# Altium PCB PCB.PcbDoc
Units mm, origin at the board's own origin, x right, y up, seen from the top; angles counter-clockwise.
Board outline 100 x 100 mm, 2 copper layers (Top Layer, Bottom Layer); 46 components, 28 nets, 194 pads, 48 vias.
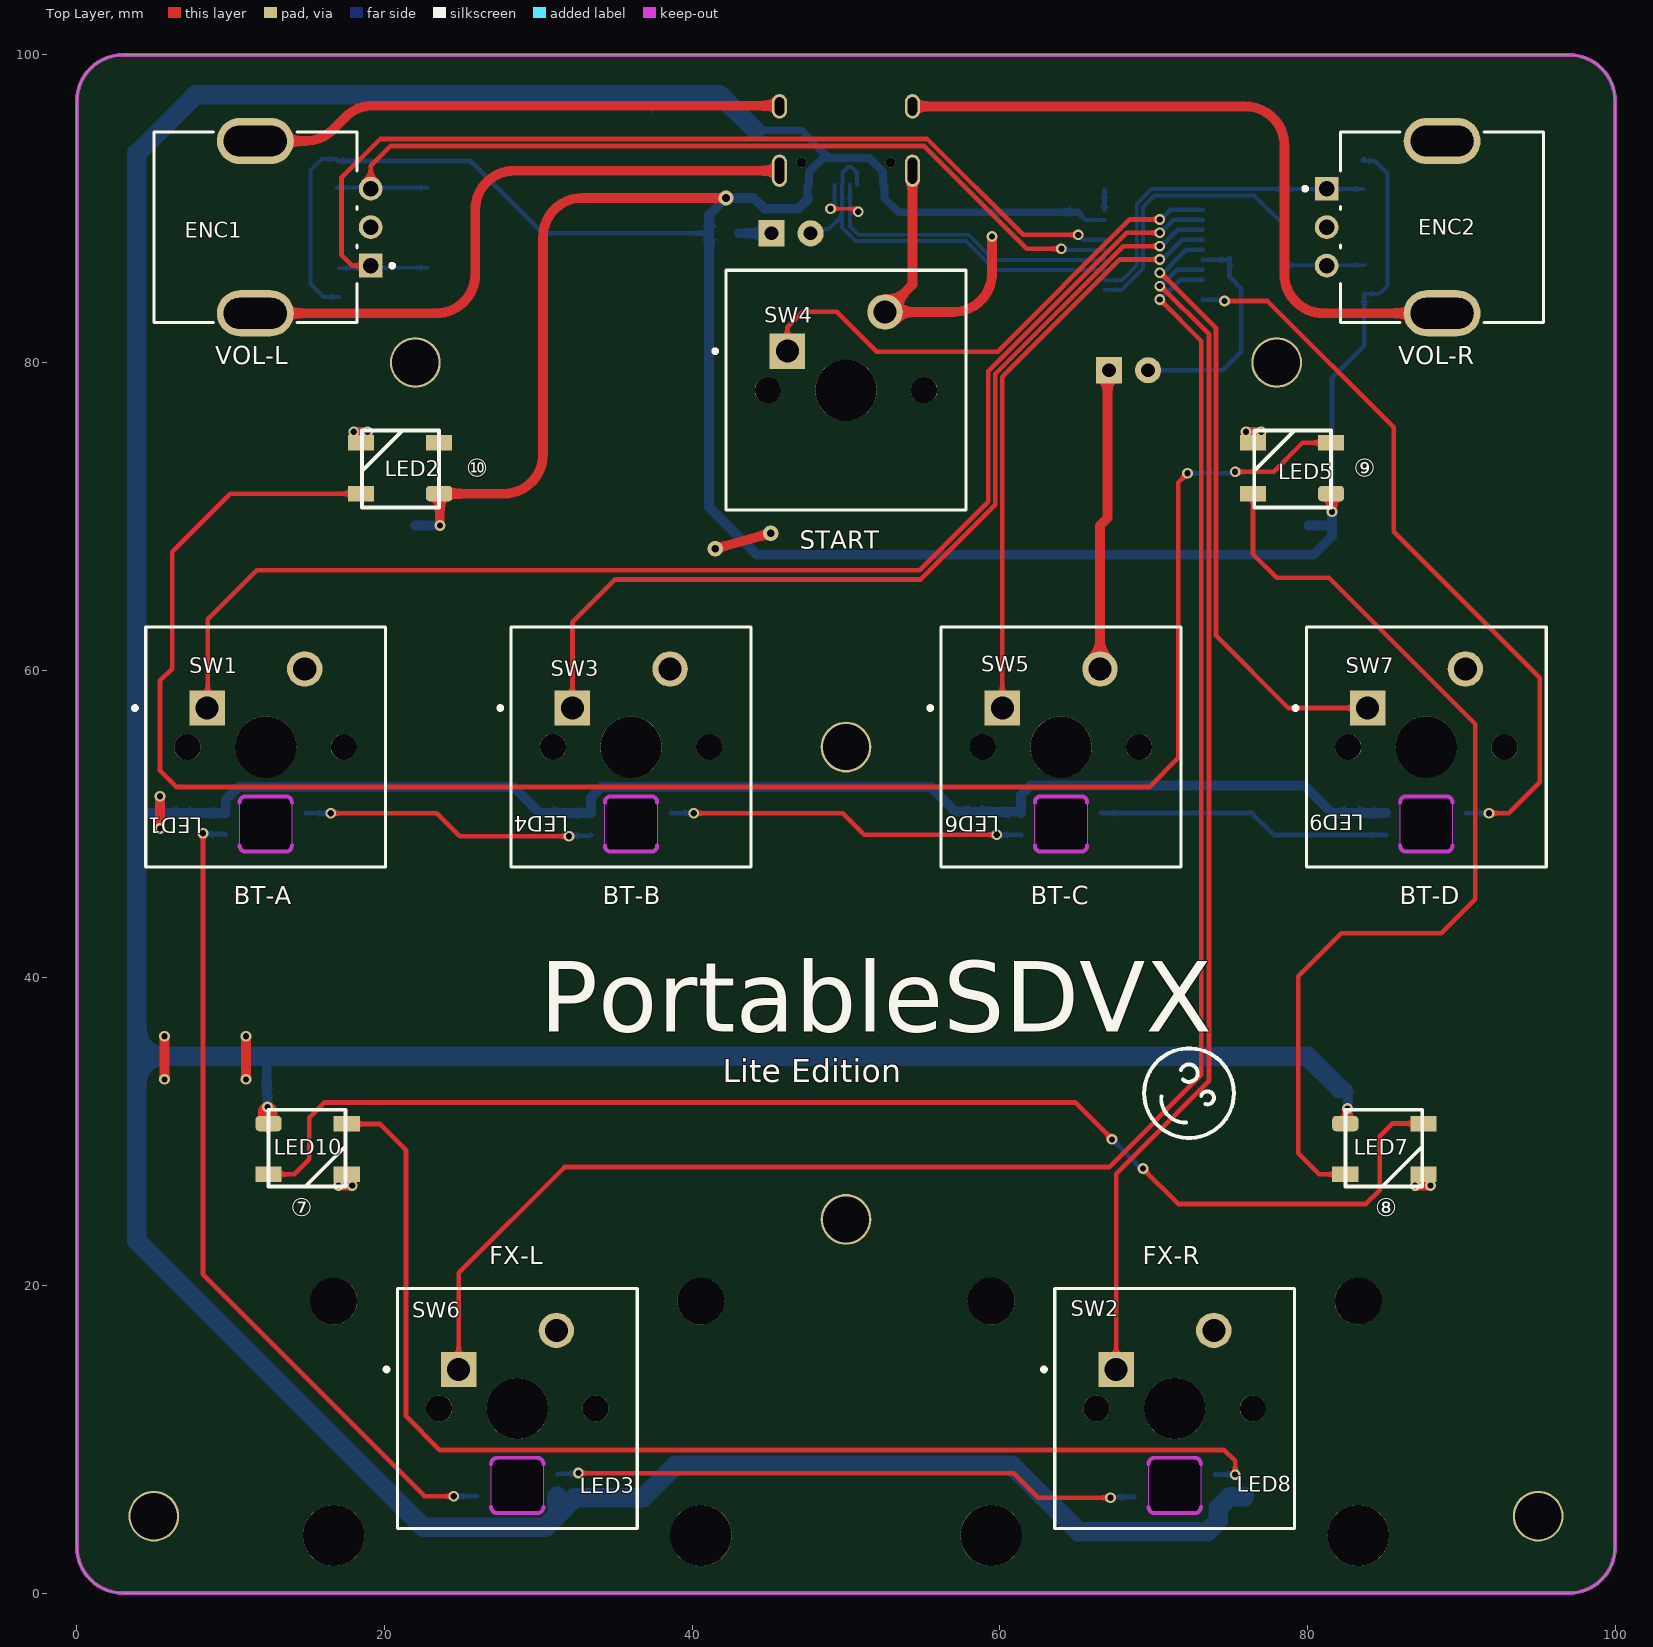
[diagram p0: Top Layer view]
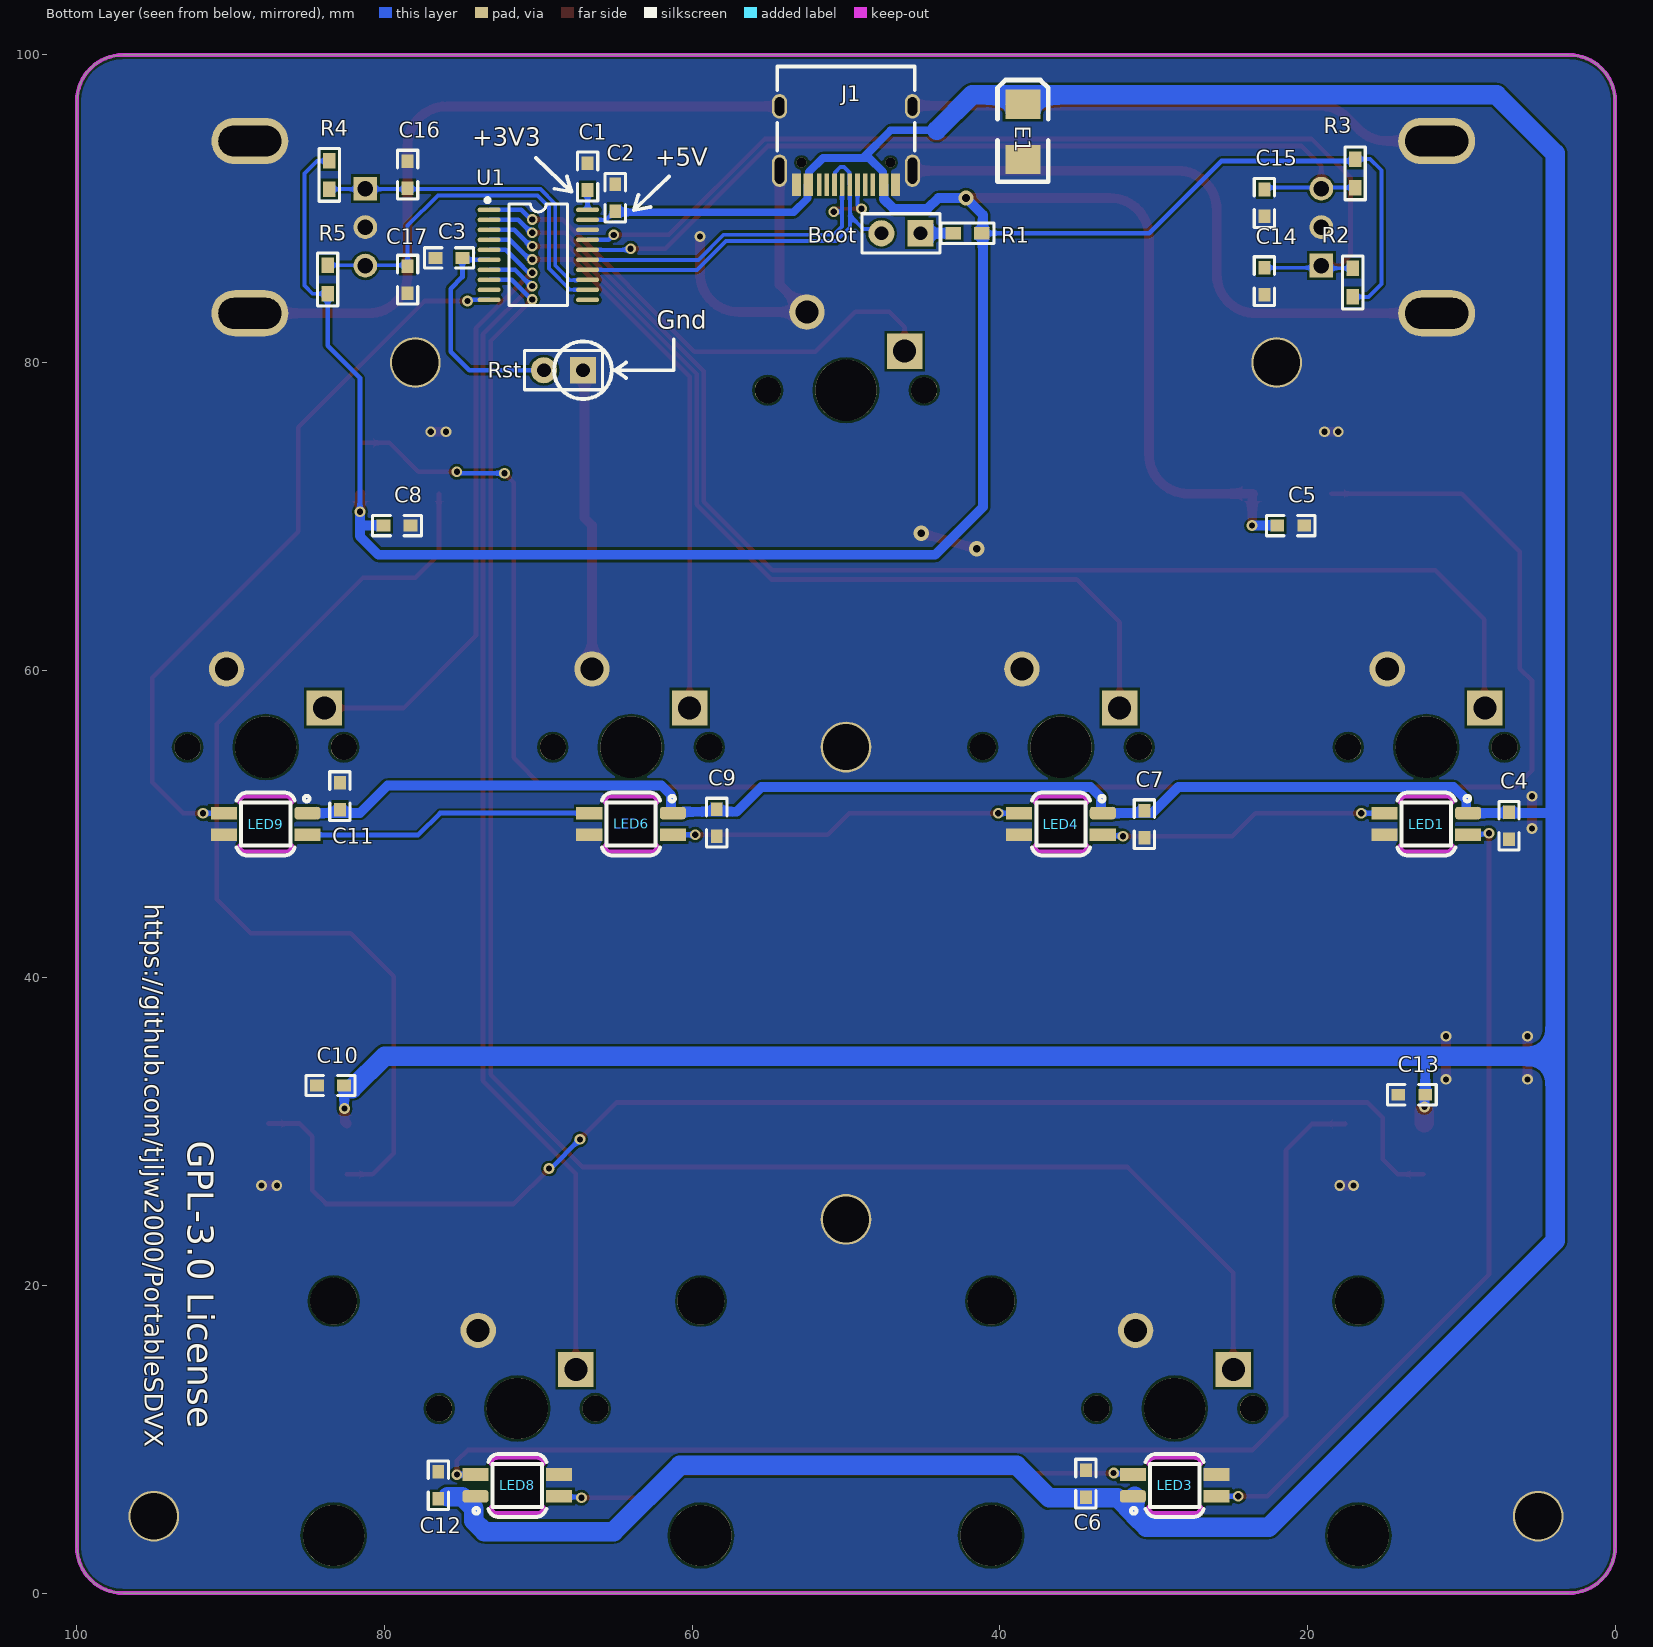
[diagram p1: Bottom Layer view, seen from below]

## Layer stack, top to bottom
Top Solder: solder mask 0.0102, Solder Resist, Dk 3.5
Top Layer: signal copper 0.0356
Dielectric 1: dielectric 0.32, FR-4, Dk 4.8
Bottom Layer: signal copper 0.0356
Bottom Solder: solder mask 0.0102, Solder Resist, Dk 3.5

## Board outline
0,3 0,97 cw(c3,97) 3,100 97,100 cw(c97,97) 100,97 100,3 cw(c97,3) 97,0 3,0 cw(c3,3)

## Design rules (kind name [scope] priority, off if disabled: settings)
Clearance [All] p1: gap=0.152 ignorepadtopadclearanceinfootprint=FALSE
PolygonConnect [All] p1: connectstyle=Direct reliefconductorwidth=0.254 reliefentries=4 polygonreliefangle="90 Angle" airgapwidth=0.254
RoomDefinition Sheet [InComponentClass('Sheet')] p1 off: confinementstyle=ConfineIn formatcopy=TRUE lockcomponents=FALSE outline 149.168,-9.459 171.803,-9.459 171.803,21.529 149.168,21.529
RoutingVias [All] p1: holewidth=0.711 width=1.27 viastyle="Through Hole" minholewidth=0.711 minwidth=1.27 maxholewidth=0.711 maxwidth=1.27
SolderMaskExpansion [All] p1: expansion=0.102
Width [All] p1: maxlimit=1.27 minlimit=0.254 preferedwidth=0.254
30 further rules are at their usual default settings.

## Components (designator, comment, footprint, x,y, rotation, side; value= is the part's Value field where it differs from the comment)
Boot "HDR-1X2" HDR-1X2 45.16,88.4 r0 bottom
C1 "104" "C 0603" 66.8,92.1 r90 bottom
C2 "104" "C 0603" 65,90.7 r270 bottom
C3 "104" "C 0603" 75.8,86.8 r180 bottom
C4 "104" "C 0603" 6.9,49.9 r90 bottom
C5 "104" "C 0603" 21.1,69.4 r0 bottom
C6 "104" "C 0603" 34.4,7.1 r270 bottom
C7 "104" "C 0603" 30.6,50 r90 bottom
C8 "104" "C 0603" 79.2,69.4 r0 bottom
C9 "104" "C 0603" 58.4,50.1 r90 bottom
C10 "104" "C 0603" 83.5,33 r180 bottom
C11 "104" "C 0603" 82.9,51.8 r270 bottom
C12 "104" "C 0603" 76.5,7 r270 bottom
C13 "104" "C 0603" 13.2,32.4 r180 bottom
C14 "104" "C 0603" 22.8,85.3 r90 bottom
C15 "104" "C 0603" 22.8,90.389 r90 bottom
C16 "104" "C 0603" 78.5,92.2 r270 bottom
C17 "104" "C 0603" 78.5,85.4 r90 bottom
E1 "10uF/10V" "CD B(3528)" 38.5,95 r270 bottom
ENC1 "EC12E24204A9" ALPS_EC12E24204A9_MFG 11.6,88.8 r90 top
ENC2 "EC12E24204A9" ALPS_EC12E24204A9_MFG 88.75,88.8 r270 top
J1 "Typec16" "TYPEC 16P" 50,99.25 r0 bottom
LED1 "WS2812B" WS2812_SINK 12.275,50 r0 top
LED2 "WS2812B" WS2812B 21,73 r180 top
LED3 "WS2812B" WS2812_SINK 28.63,7 r180 top
LED4 "WS2812B" WS2812_SINK 36.025,50 r0 top
LED5 "WS2812B" WS2812B 79,73 r180 top
LED6 "WS2812B" WS2812_SINK 63.975,50 r0 top
LED7 "WS2812B" WS2812B 85,29 r0 top
LED8 "WS2812B" WS2812_SINK 71.37,7 r180 top
LED9 "WS2812B" WS2812_SINK 87.725,50 r0 top
LED10 "WS2812B" WS2812B 15,29 r0 top
R1 "10K" RES-SMD-0603 42.1,88.4 r180 bottom
R2 "10K" RES-SMD-0603 17.05,85.2 r270 bottom
R3 "10K" RES-SMD-0603 16.9,92.3 r90 bottom
R4 "10K" RES-SMD-0603 83.6,92.2 r90 bottom
R5 "10K" RES-SMD-0603 83.7,85.4 r270 bottom
Rst "HDR-1X2" HDR-1X2 67.1,79.5 r0 bottom
SW1 "SWITCH" CHERRY_MX1A 12.275,55 r0 top locked
SW2 "SWITCH" CHERRY_MX1A_X2 71.37,12 r0 top locked
SW3 "SWITCH" CHERRY_MX1A 36.025,55 r0 top locked
SW4 "SWITCH" CHERRY_MX1A 50,78.2 r0 top
SW5 "SWITCH" CHERRY_MX1A 63.975,55 r0 top locked
SW6 "SWITCH" CHERRY_MX1A_X2 28.63,12 r0 top locked
SW7 "SWITCH" CHERRY_MX1A 87.725,55 r0 top locked
U1 "CH552T" TSSOP20_N 70,87 r180 bottom

## Footprints (in the part's own frame and the unit in brackets; to place one, negate y for a bottom-side part, rotate by r counter-clockwise, add the part's x,y. Pads: shape width x height; smd on the part's side, far side on the other; paste and mask are expansions set on the pad)
ALPS_EC12E24204A9_MFG [mm]
  rect 1.55x1.55 hole 1 paste-1000 mask+0: 1(-2.5,-7.5)
  round 1.55 hole 1 paste-1000 mask+0: 2(0,-7.5) 3(2.5,-7.5)
  rrect100% 3x5 hole 4.1 slot 2 at 0 deg paste-1000 mask+0: 4(-5.6,0) 5(5.6,0)
  silkscreen extent -6.2,-9.03 6.2,6.6, body extent -7,-8.37 7,6.7, height 0.25
"C 0603" [mil] "无极性贴片电容"
  rect 35x30 smd: 1(-35,0) 2(34,0)
  silkscreen extent -63,-26 62,26, body extent -31,-16 31,16, height 32
"CD B(3528)" [mil] "长3.5mm，宽2.8mm，厚1.9mm"
  rect 75x90 smd: A(-70.87,-0.01) K(70.86,-0.01)
  silkscreen extent -133,-65 127,65, body extent -69,-55 69,55, height 75
CHERRY_MX1A [mil]
  rect 90.55x90.55 hole 59.06 paste-39370.1 mask+0: 1(-150,100)
  round 90.55 hole 59.06 paste-39370.1 mask+0: 2(100,200)
  round 67 hole 67 unplated paste-39370.1 mask+0: ""(-200,0) ""(200,0)
  round 3.15 hole 1.69 paste-39370.1 mask+0: ""(0,0)
  round 157 hole 157 unplated paste-39370.1 mask+0: ""(0,0)
  silkscreen extent -340,-307 307,307, body extent -309,-305 305,309, height 611
CHERRY_MX1A_X2 [mil]
  rect 90.55x90.55 hole 59.06 paste-39370.1 mask+0: 1(-150,100)
  round 90.55 hole 59.06 paste-39370.1 mask+0: 2(100,200)
  round 157 hole 157 unplated paste-39370.1 mask+0: ""(-470,-325) ""(0,0) ""(470,-325)
  round 120 hole 120 unplated paste-39370.1 mask+0: ""(-470,275) ""(470,275)
  round 67 hole 67 unplated paste-39370.1 mask+0: ""(-200,0) ""(200,0)
  round 3.15 hole 1.69 paste-39370.1 mask+0: ""(0,0)
  silkscreen extent -340,-307 307,307, body extent -606,-433 602,323, height 611
HDR-1X2 [mm] "排针，2脚"
  rect 1.7x1.7 hole 0.9: 1(0,0)
  round 1.7 hole 0.9: 2(2.54,0)
  silkscreen extent -1.27,-1.27 3.81,1.27, body extent -1.27,-1.27 3.81,1.27, height 8.5
RES-SMD-0603 [mil] "1/10W贴片电阻"
  rect 40x31.5 smd: 1(-36.5,0) 2(36.5,0)
  silkscreen extent -68,-26 68,26, body extent -31,-16 31,16, height 16
TSSOP20_N [mm] "6.5*6.4*1（长宽高）"
  oval 1.5x0.3 smd: 1(-3.2,2.925) 2(-3.2,2.275) 3(-3.2,1.625) 4(-3.2,0.975) 5(-3.2,0.325) 6(-3.2,-0.325) 7(-3.2,-0.975) 8(-3.2,-1.625) 9(-3.2,-2.275) 10(-3.2,-2.925) 11(3.2,-2.925) 12(3.2,-2.275) 13(3.2,-1.625) 14(3.2,-0.975) 15(3.2,-0.325) 16(3.2,0.325) 17(3.2,0.975) 18(3.2,1.625) 19(3.2,2.275) 20(3.2,2.925)
  silkscreen extent -3.43,-3.3 1.91,3.69, body extent -3.2,-3.25 3.2,3.25, height 1.03
"TYPEC 16P" [mm]
  rect 0.6x1.45 smd: 1(-3.225,7.695) 2(-2.45,7.695) 7(2.45,7.695) 8(3.225,7.695)
  rect 0.3x1.45 smd: 3(-1.25,7.695) 4(-0.25,7.695) 5(0.25,7.695) 6(1.25,7.695) 11(-1.75,7.695) 12(-0.75,7.695) 13(0.75,7.695) 14(1.75,7.695)
  oval 1x1.6 hole 0.6 slot 1.2 at 90 deg: ""(-4.32,2.6) ""(4.32,2.6)
  oval 1x2.1 hole 0.6 slot 1.7 at 90 deg: ""(-4.32,6.78) ""(4.32,6.78)
  round 0.65 hole 0.65 unplated: ""(-2.89,6.25) ""(2.89,6.25)
  silkscreen extent -4.47,0 4.47,5.46
WS2812_SINK [mm]
  rrect50% 1.7x0.82 smd far side: 1(-2.72,0.71)
  rect 1.7x0.82 smd far side: 2(-2.72,-0.71) 3(2.72,-0.71) 4(2.72,0.71)
  Keep-Out Layer board cut-out: -1.7,-1.3 -1.7,1.3 -1.662,1.491 -1.554,1.654 -1.391,1.762 -1.2,1.8 -1.2,1.8 1.2,1.8 1.391,1.762 1.554,1.654 1.662,1.491 1.7,1.3 1.7,1.3 1.7,-1.3 1.662,-1.491 1.554,-1.654 1.391,-1.762 1.2,-1.8 1.2,-1.8 -1.2,-1.8 -1.391,-1.762 -1.554,-1.654 -1.662,-1.491 -1.7,-1.3
WS2812B [mm]
  rrect50% 1.7x1 smd: 1(-2.54,1.524)
  rect 1.7x1 smd: 2(-2.54,-1.778) 3(2.54,-1.778) 4(2.54,1.524)
  silkscreen extent -2.54,-2.58 2.46,2.42, body extent -2.7,-2.65 2.7,2.35, height 1.54

## Part data
Boot Rst: library part "Header 2", "2P接插件"
  Boot: 学习资源=ww
  Rst: BOM名称=2, 学习资源=www.o
C1 C2 C4 C5 C6 C7 C8 C9 C10 C11 C12 C13 C14 C15 C16 C17: library part Cap-CER-SMD, "瓷片电容-贴片"
C3: library part C, "无极性贴片电容", 学习资源=www.o
E1: library part Cap-TAN-SMD, "钽电解电容-贴片"
LED1 LED2 LED3 LED4 LED5 LED6 LED7 LED8 LED9 LED10: "Raspberry Pi HAT _40 pin_ Wheeled Robotics Kit", Package=None, Availability=Unavailable, MF="SparkFun Electronics", MP=WS2812B, Price=None, SnapEDA_Link=https://www.snapeda.com/parts/WS2812B/Worldsemi/view-part/1038297/?ref=snap
R1 R2 R3 R4 R5: library part Res-Fixed-SMD, "固定电阻器-贴片"
SW1 SW2 SW3 SW4 SW5 SW6 SW7: "SWITCH Pushbutton Switch SPST-NO Keyswitch Through Hole", contact_current_rating="10 mA", Digikey Part Number=CH160-ND, Manufacturer=Cherry, Mouser Part Number=540-MX1A-11NW, Octopart Part Number=MX1A-11NW, Package=SW_15MM6_15_6, Temperature="-10 to +70", Temperature Range High=+70, Temperature Range Low=-10, Category 2Bfae6F01857F03D=Pushbutton, Category 6A0Ba70159B8B1Cc=Keylock, Category 6E88A3825D3Cb54F=Uncategorized, Category 8Ce341E9Bf4C5724=Switches, Category A9A064Aa9A0A7267="Tactile / Jog", Category Db391633E8F300Fe="Industrial Control", ComponentLink1Description=Upverter, ComponentLink1URL=https://upverter.com/upn/revision/2ca27a2fbe391082/, ComponentLink2Description=Datasheet, ComponentLink2URL=https://upverter.com/datasheet/a174b925b05052267a652262a41f429ea7a87855.pdf, contact_plating=Gold, contacts_type=SPST, Digikey Description="SWITCH Pushbutton Switch SPST-NO Keyswitch Through Hole", helpURL=https://upverter.com/upn/revision/2ca27a2fbe391082/, Lead Free=yes, Mounting Type=lug, Num Pins=2, orientation=Vertical, Price=0.648391469733, RoHS=TRUE, size_length="15.6 mm", size_width="15.6 mm", Supplier 1=Digi-Key, Supplier 2=Mouser, Supplier Part Number 1=CH160-ND, Supplier Part Number 2=540-MX1A-11NW

## Free pads (board coordinates)
  round 3.3 hole 3 unplated: ""(5,5) ""(22,80) ""(50,24.3) ""(50,55) ""(78,80) ""(95,5)

## Via types
v1: diameter 0.7, hole 0.4, Top Layer to Bottom Layer, 45 vias
v2: diameter 1, hole 0.5, Top Layer to Bottom Layer, 3 vias

## Nets (pads, with @x,y where several pads share a name; then routed paths per layer and width w, separated by ;. In a path a pad name is that pad's centre, name@x,y a point inside that pad or via, vN(x,y) a via of type N, cw(c..) or ccw(c..) an arc to the next point about the centre after c; other vN are vias at no path point)
+5: C2.2 C4.2 C5.2 C6.2 C7.2 C8.2 C9.2 C10.2 C11.2 C12.2 C13.2 E1.A J1.2 J1.7 LED1.1 LED2.1 LED3.1 LED4.1 LED5.1 LED6.1 LED7.1 LED8.1 LED9.1 LED10.1 R1.2 R2.2 R3.2 R4.2 R5.2 U1.19 | length 578.4
  Top Layer w0.635: v1(23.6,69.4) 23.588,69.412 23.588,71.428 LED2.1 27.76,71.476 ccw(c27.76,74.016) 30.3,74.016 30.3,88.16 cw(c32.84,88.16) 32.84,90.7 v2(42.2,90.7) ; LED5.1 81.588,71.428 81.588,70.312 v1(81.6,70.3) ; LED7.1 82.588,30.652 82.588,31.488 v1(82.6,31.5)
  Top Layer w1.27: LED10.1@12.4,30.584 v1@12.4,31.3
  Bottom Layer w0.254: R3.2 15.927,93.227 15.2,92.5 15.2,85.1 16.027,84.273 R2.2 ; C2.2@65.068,89.768 65.082,89.782 65.589,89.275 U1.19 ; R4.2 83.627,93.1 84.4,93.1 85.2,92.3 85.2,85 84.673,84.473 R5.2
  Bottom Layer w0.305: R3.2 17.027,93.1 25.6,93.1 30.3,88.4 41.1,88.4 R1.2 ; v1(81.6,70.3) 81.6,79 83.7,81.1 R5.2 ; R4.2 R4.2@83.7,93.227
  Bottom Layer w0.508: 44.1,95.1 47.1,95.1 48.9,93.3 ; 47.504,90.684 47.504,91.509 J1.2 47.596,91.601 47.596,92.396 48.5,93.3 48.9,93.3 ; C2.2@65.068,89.768 53.412,89.768 52.496,90.684 52.496,91.509 J1.7 52.404,91.601 52.404,92.396 51.5,93.3 48.9,93.3
  Bottom Layer w0.635: 3.9,51 4.19,50.71 9.675,50.71 9.675,51.575 10.5,52.4 28.4,52.4 30.09,50.71 33.425,50.71 33.425,51.725 34.1,52.4 55.5,52.4 57.1,50.8 61.285,50.8 61.375,50.71 61.375,51.875 62,52.5 79.8,52.5 81.59,50.71 LED9.1@85.125,50.71 ; 12.1,34.9 12.336,34.664 C13.2 12.388,32.349 12.388,31.612 v1(12.4,31.6) ; C5.2 v1(23.6,69.4) ; 47.545,90.684 47.545,90.635 46.91,90 44.7,90 44,90.7 43.809,90.7 v2(42.2,90.7) 41.1,89.6 41.1,88.4 41.1,70.6 44.2,67.5 80.4,67.5 81.6,68.7 81.6,69.5 ; C8.2 81.5,69.4 81.6,69.5 ; v1(81.6,70.3) 81.6,69.5 ; v1(82.6,31.5) 82.612,31.512 C10.2@82.612,32.8
  Bottom Layer w1.27: 31.2,5.044 31.244,5.088 ; LED3.1@31.23,6.29 31.2,6.26 31.2,5.948 31.244,5.904 31.244,5.088 ; 44.1,95.1 41.8,97.4 7.7,97.4 3.9,93.6 3.9,51 3.9,34.9 ; 75.9,6.264 74.964,6.264 74.2,5.5 74.2,4.7 73.5,4 65.1,4 60.8,8.3 38.9,8.3 36.8,6.2 32.356,6.2 31.244,5.088 ; 82.1,32.8 80,34.9 12.1,34.9 3.9,34.9 ; 3.9,34.9 3.9,22.9 22.514,4.286 30.474,4.286 31.244,5.055 31.244,5.088
BTNL1: SW7.1 U1.5 | length 40.3
  Top Layer w0.305: v1(70.4,85.833) 70.459,85.833 74.057,82.235 74.057,62.243 78.76,57.54 SW7.1
  Bottom Layer w0.305: v1@70.5,85.7 70.77,85.97 71.155,86.354 ; 71.155,86.355 72.123,87.323 73.198,87.323 U1.5
BTNL2: SW5.1 U1.4 | length 38.2
  Top Layer w0.305: SW5.1 60.165,79.065 67.8,86.7 v1(70.4,86.7)
  Bottom Layer w0.305: v1@70.501,86.625 71.851,87.975 U1.4
BTNLH: SW6.1 U1.8 | length 114.7
  Top Layer w0.305: SW6.1 24.82,20.82 31.7,27.7 67.1,27.7 73.1,33.7 73.1,81.4 v1(70.4,84.1)
  Bottom Layer w0.305: v1(70.4,84.1) 70.459,84.1 71.734,85.375 U1.8
BTNR1: SW3.1 U1.3 | length 62.1
  Top Layer w0.305: SW3.1 32.215,63.115 35,65.9 54.847,65.9 59.708,70.761 59.708,79.254 68.02,87.567 v1(70.4,87.567)
  Bottom Layer w0.305: v1@70.5,87.55 v1@70.571,87.621 ; v1@70.501,87.55 71.574,88.623 73.198,88.623 U1.3
BTNR2: SW1.1 U1.2 | length 86.1
  Top Layer w0.305: SW1.1 8.5,57.575 8.5,63.3 11.7,66.5 54.8,66.5 59.251,70.951 59.251,79.444 68.24,88.433 v1(70.4,88.433)
  Bottom Layer w0.305: v1@70.501,88.475 71.301,89.275 U1.2
BTNRH: SW2.1 U1.7 | length 77.5
  Top Layer w0.305: SW2.1 67.56,27.26 73.6,33.3 73.6,81.826 70.459,84.967 v1(70.4,84.967)
  Bottom Layer w0.305: v1(70.4,84.967) 70.459,84.967 71.518,86.025 U1.7
D+: Boot.2 J1.4 J1.13 U1.14 | length 26.3
  Bottom Layer w0.254: Boot.2 47.977,88.677 48.877,88.677 49.75,89.55 ; J1.13 50.727,91.578 50.727,92.348 50.375,92.7 50.125,92.7 49.773,92.348 49.773,91.578 J1.4 49.75,89.55 ; U1.14 59.675,86.025 57.8,87.9 50.632,87.9 49.75,88.782 49.75,89.55
D-: J1.5 J1.12 U1.15 | length 26
  Top Layer w0.254: v1(49,90) 50.6,90 v1(50.8,89.8)
  Bottom Layer w0.254: v1(49,90) 49.25,90.25 J1.12 ; v1(50.8,89.8) 50.273,89.8 50.273,91.532 J1.5 50.25,88.856 50.8,88.306 57.968,88.306 59.6,86.675 U1.15
DLED: LED9.4 U1.10 | length 48.5
  Top Layer w0.305: v1(74.6,84) 77.4,84 85.6,75.8 85.6,69 95.1,59.5 95.1,52.7 93.1,50.7 v1(91.8,50.7)
  Bottom Layer w0.305: U1.10 74.525,84.075 v1(74.6,84) ; LED9.4@90.325,50.71 90.335,50.7 v1(91.8,50.7)
ENCLA: C14.2 ENC1.1 R2.1 U1.17 | length 66.4
  Top Layer w0.305: ENC1.1 17.9,86.3 17.2,87 17.2,92 19.732,94.532 55.279,94.532 61.511,88.3 v1(65.1,88.3)
  Bottom Layer w0.254: R2.1 18.927,86.127 ENC1.1 19.236,86.164 C14.2
  Bottom Layer w0.305: v1(65.1,88.3) 65.425,87.975 U1.17
ENCLB: C15.2 ENC1.3 R3.1 U1.16 | length 58.4
  Top Layer w0.305: ENC1.3 19.1,92.8 20.375,94.075 55.089,94.075 61.764,87.4 v1(64,87.4)
  Bottom Layer w0.254: R3.1 19.1,91.373 22.5,91.373 22.764,91.373 C15.2@22.8,91.336 ; v1(64,87.4) 64.075,87.325 U1.16
ENCRA: C16.2 ENC2.1 R4.1 U1.13 | length 21.7
  Bottom Layer w0.254: U1.13 66.868,85.375 66.891,85.352 67.952,85.352 68.9,86.3 68.9,90.3 69.873,91.273 78.5,91.273 C16.2 78.563,91.273 R4.1
ENCRB: C17.2 ENC2.3 R5.1 U1.12 | length 25.3
  Bottom Layer w0.254: U1.12 66.8,84.732 67.932,84.732 69.306,86.106 69.306,90.106 70.066,90.866 76.533,90.866 78.5,88.9 C17.2 78.563,86.327 R5.1
GND: C1.2 C2.1 C3.1 C4.1 C5.1 C6.1 C7.1 C8.1 C9.1 C10.1 C11.1 C12.1 C13.1 C14.1 C15.1 C16.1 C17.1 E1.K ENC1.2 ENC1.4 ENC1.5 ENC2.2 ENC2.4 ENC2.5 J1.1 J1.8 J1.@45.68,92.47 J1.@45.68,96.65 J1.@54.32,92.47 J1.@54.32,96.65 LED1.3 LED2.3 LED3.3 LED4.3 LED5.3 LED6.3 LED7.3 LED8.3 LED9.3 LED10.3 pad. Rst.1 SW1.2 SW2.2 SW3.2 SW4.2 SW5.2 SW6.2 SW7.2 U1.18 | length 177.3
  Top Layer w0.635: v1(5.4,49.7) v1(5.4,51.8) ; v1(5.7,33.4) v1(5.7,36.2) ; v1(11,33.4) v1(11,36.2) ; ENC1.4 23.36,83.2 ccw(c23.36,85.74) 25.9,85.74 25.9,89.93 cw(c28.44,89.93) 28.44,92.47 J1.@45.68,92.47 ; ENC1.5 14.848,94.4 ccw(c14.848,96.94) 16.644,95.144 17.456,95.956 cw(c19.252,94.16) 19.252,96.7 45.63,96.7 J1.@45.68,96.65 ; v1(17,26.5) v1(17.9,26.5) ; v1(18,75.5) v1(18.9,75.5) ; v2(41.5,67.9) v2(45.1,68.9) ; J1.@54.32,92.47 54.32,85.06 SW4.2 56.96,83.28 ccw(c56.96,85.82) 59.5,85.82 v1(59.5,88.2) ; J1.@54.32,96.65 75.96,96.65 cw(c75.96,94.11) 78.5,94.11 78.5,85.74 ccw(c81.04,85.74) 81.04,83.2 ENC2.5 ; SW5.2 66.515,69.415 67,69.9 67,79.4 Rst.1 ; v1(76,75.5) v1(77,75.5) ; v1(87,26.5) v1(88,26.5)
NetBoot_1: Boot.1 R1.1 | length 2.1
  Bottom Layer w0.635: R1.1 Boot.1
NetC1_1: C1.1 U1.20 | length 1.3
  Bottom Layer w0.305: U1.20 C1.1
NetLED1_2: LED1.2 LED3.4 | length 54.2
  Top Layer w0.305: v1(8.2,49.4) 8.2,20.7 22.6,6.3 v1(24.5,6.3) v1@24.7,6.3
  Bottom Layer w0.305: v1(8.2,49.4) 8.255,49.345 9.62,49.345 LED1.2@9.675,49.29 ; v1(24.5,6.3) 24.505,6.295 26.025,6.295 LED3.4@26.03,6.29
NetLED1_4: LED1.4 LED4.2 | length 19.2
  Top Layer w0.305: v1(16.5,50.7) 23.4,50.7 24.9,49.2 v1(32,49.2)
  Bottom Layer w0.305: LED1.4@14.875,50.71 14.88,50.705 16.495,50.705 v1(16.5,50.7) ; v1(32,49.2) 32.045,49.245 33.38,49.245 LED4.2@33.425,49.29
NetLED2_4: LED2.4 LED5.2 | length 124.7
  Top Layer w0.305: LED2.4 9.976,71.476 6.2,67.7 6.2,60.1 5.4,59.3 5.4,53.5 6.5,52.4 69.7,52.4 71.6,54.3 71.6,72.2 v1(72.2,72.8) ; v1(75.3,72.9) 77.8,72.9 79.678,74.778 LED5.2
  Bottom Layer w0.305: v1(72.2,72.8) 75.2,72.8 v1(75.3,72.9)
NetLED3_2: LED3.2 LED8.4 | length 38.3
  Top Layer w0.305: v1(32.6,7.8) 60.9,7.8 62.5,6.2 v1(67.2,6.2)
  Bottom Layer w0.305: LED3.2@31.23,7.71 31.275,7.755 32.555,7.755 v1(32.6,7.8) ; v1(67.2,6.2) 67.245,6.245 68.725,6.245 LED8.4@68.77,6.29
NetLED4_4: LED4.4 LED6.2 | length 23.3
  Top Layer w0.305: v1(40.1,50.7) 49.8,50.7 51.2,49.3 v1(59.8,49.3)
  Bottom Layer w0.305: LED4.4@38.625,50.71 38.63,50.705 40.095,50.705 v1(40.1,50.7) ; v1(59.8,49.3) 59.805,49.295 61.37,49.295 LED6.2@61.375,49.29
NetLED5_4: LED5.4 LED7.2 | length 63.1
  Top Layer w0.305: LED5.4 76.46,67.54 78,66 81.4,66 90.9,56.5 90.9,45.1 88.7,42.9 82.2,42.9 79.4,40.1 79.4,28.6 80.778,27.222 LED7.2
NetLED6_4: LED6.4 LED9.2 | length 19.1
  Bottom Layer w0.305: LED6.4@66.575,50.71 76.39,50.71 77.81,49.29 LED9.2@85.125,49.29
NetLED7_4: LED7.4 LED10.2 | length 85.5
  Top Layer w0.305: LED10.2 14.122,27.222 15.1,28.2 15.1,30.9 16.1,31.9 64.9,31.9 v1(67.3,29.5) ; v1(69.3,27.6) 71.6,25.3 83.8,25.3 84.7,26.2 84.7,29.7 85.524,30.524 LED7.4
  Bottom Layer w0.305: v1(67.3,29.5) 69.2,27.6 v1(69.3,27.6)
NetLED8_2: LED8.2 LED10.4 | length 79.2
  Top Layer w0.305: LED10.4 17.564,30.5 19.7,30.5 21.4,28.8 21.4,11.5 23.6,9.3 74.6,9.3 75.3,8.6 v1(75.3,7.7)
  Bottom Layer w0.305: LED8.2@73.97,7.71 73.975,7.705 75.295,7.705 v1(75.3,7.7)
RST: C3.2 Rst.2 U1.6 | length 14.8
  Bottom Layer w0.305: Rst.2 74.5,79.5 75.7,80.7 75.7,84.8 74.936,85.564 C3.2 74.814,86.677 73.202,86.677 U1.6
START: SW4.1 U1.1 | length 33.7
  Top Layer w0.305: SW4.1 46.19,82.29 47.2,83.3 49.4,83.3 52,80.7 59.86,80.7 68.46,89.3 v1(70.4,89.3)
  Bottom Layer w0.305: v1@70.5,89.4 70.592,89.4 71.117,89.925 U1.1
pads on no net: J1.3 J1.6 J1.11 J1.14 J1.@47.11,93 J1.@52.89,93 LED2.2 SW1. SW2. SW3. SW4. SW5. SW6. SW7. U1.9 U1.11

## Polygon pours and split planes (outlines as drawn)
GND on Bottom Layer "Bottom Layer-GND" (solid, pour order 2): 0,98 2.2,100.2 98,100.2 100.2,98 100.2,2 98.1,-0.1 1.8,-0.1 0,1.7
no net on Bottom Layer "Bottom Layer-No Net" (solid, pour order 0): 47.596,91.601

## Keep-outs
Keep-Out Layer:
  lines w0.254: 10.575,48.6 ccw(c10.975,48.6) 10.975,48.2 13.575,48.2 ccw(c13.575,48.6) 13.975,48.6 ; 10.575,51.4 cw(c10.975,51.4) 10.975,51.8 13.575,51.8 cw(c13.575,51.4) 13.975,51.4 ; 26.93,5.6 ccw(c27.33,5.6) 27.33,5.2 29.93,5.2 ; 26.93,8.4 cw(c27.33,8.4) 27.33,8.8 29.93,8.8 cw(c29.93,8.4) 30.33,8.4 ; 29.93,5.2 ccw(c29.93,5.6) 30.33,5.6 ; 34.325,51.4 cw(c34.725,51.4) 34.725,51.8 37.325,51.8 ; 37.725,48.6 cw(c37.325,48.6) 37.325,48.2 ; 37.725,51.4 ccw(c37.325,51.4) 37.325,51.8 ; 62.275,48.6 ccw(c62.675,48.6) 62.675,48.2 65.275,48.2 ccw(c65.275,48.6) 65.675,48.6 ; 62.275,51.4 cw(c62.675,51.4) 62.675,51.8 65.275,51.8 cw(c65.275,51.4) 65.675,51.4 ; 69.67,5.6 ccw(c70.07,5.6) 70.07,5.2 72.67,5.2 ; 69.67,8.4 cw(c70.07,8.4) 70.07,8.8 72.67,8.8 ; 72.67,5.2 ccw(c72.67,5.6) 73.07,5.6 ; 72.67,8.8 cw(c72.67,8.4) 73.07,8.4 ; 86.025,48.6 ccw(c86.425,48.6) 86.425,48.2 89.025,48.2 ccw(c89.025,48.6) 89.425,48.6 ; 86.025,51.4 cw(c86.425,51.4) 86.425,51.8 89.025,51.8 ; 89.025,51.8 cw(c89.025,51.4) 89.425,51.4 ; 34.325,48.6 ccw(c34.725,48.6) 34.725,48.2 37.325,48.2 ; 34.325,48.6 34.325,48.6 ; 37.325,48.2 ccw(c37.325,48.2) 37.325,48.2 ; 37.325,51.8 ccw(c37.325,51.8) 37.325,51.8 ; 37.325,51.8 37.325,51.8 ; 0,3 ccw(c3,3) 3,0 97,0 ccw(c97,3) 100,3 100,97 ccw(c97,97) 97,100 3,100 ccw(c3,97) 0,97 0,3

## Other copper
Bottom Layer:
  pour cut-out: 27.325,5.2 cw(c27.33,5.6) 26.93,5.6 26.93,8.4 cw(c27.33,8.4) 27.33,8.8 29.93,8.8 cw(c29.93,8.4) 30.33,8.4 30.33,5.6 cw(c29.93,5.6) 29.925,5.2
  pour cut-out: 70.065,5.2 cw(c70.07,5.6) 69.67,5.6 69.67,8.4 cw(c70.07,8.4) 70.07,8.8 72.67,8.8 cw(c72.67,8.4) 73.07,8.4 73.07,5.6 cw(c72.67,5.6) 72.665,5.2
  pour cut-out: 86.42,48.2 cw(c86.425,48.6) 86.025,48.6 86.025,51.4 cw(c86.425,51.4) 86.425,51.8 89.025,51.8 cw(c89.025,51.4) 89.425,51.4 89.425,48.6 cw(c89.025,48.6) 89.02,48.2
  pour cut-out: 62.67,48.2 cw(c62.675,48.6) 62.275,48.6 62.275,51.4 cw(c62.675,51.4) 62.675,51.8 65.275,51.8 cw(c65.275,51.4) 65.675,51.4 65.675,48.6 cw(c65.275,48.6) 65.27,48.2
  pour cut-out: 10.97,48.2 cw(c10.975,48.6) 10.575,48.6 10.575,51.4 cw(c10.975,51.4) 10.975,51.8 13.575,51.8 cw(c13.575,51.4) 13.975,51.4 13.975,48.6 cw(c13.575,48.6) 13.57,48.2
  pour cut-out: 34.72,48.2 cw(c34.725,48.6) 34.325,48.6 34.325,51.4 cw(c34.725,51.4) 34.725,51.8 37.325,51.8 cw(c37.325,51.4) 37.725,51.4 37.725,48.6 cw(c37.325,48.6) 37.32,48.2

## Silkscreen, mask and mechanical layers (free items; w line width, h text height)
Top Overlay:
  circle w0.254: c72.3,32.5 r2.915
  lines w0.254: 70.5,32.3 ccw(c72.05,32.15) 72.104,30.594 ; 71.775,34.01 cw(c72.3,33.8) 71.9,33.4 ; 73.092,32.317 cw(c73.5,32.2) 73.366,31.798
  text "VOL-L" at 9,79.5 h2
  text "VOL-R" at 85.9,79.5 h2
  text "⑩" at 25.3,72.2 h2
  text "⑨" at 83,72.2 h2
  text "START" at 47,67.5 h2
  text "BT-A" at 10.2,44.4 h2
  text "BT-B" at 34.2,44.4 h2
  text "BT-C" at 62,44.4 h2
  text "BT-D" at 86,44.4 h2
  text "PortableSDVX" at 30.1,36.5 h4.6
  text "Lite Edition" at 42,33.2 h1.5
  text "⑦" at 13.9,24.1 h2
  text "⑧" at 84.4,24.1 h2
  text "FX-L" at 26.8,21 h2
  text "FX-R" at 69.3,21 h2
Bottom Overlay:
  lines w0.254: 61.2,81.5 61.2,79.5 65,79.5 ; 61.5,92.1 63.8,89.9 ; 62.7,90.1 63.8,89.9 ; 63.5,90.9 63.8,89.9 ; 64.3,79 65,79.5 ; 64.3,80 65,79.5 ; 68.15,92.1 67.85,91.1 ; 68.95,91.3 67.85,91.1 ; 68.967,79.707 ccw(c67.1,79.5) 68.979,79.5 ; 70.15,93.3 67.85,91.1
  text "+3V3" at 74.3,93.7 h2
  text "+5V" at 62.4,92.4 h2
  text "Gnd" at 62.3,81.8 h2
  text "https://github.com/tjljw2000/PortableSDVX" at 95.6,44.8 h1.2 r90
  text "GPL-3.0 License" at 92.8,29.4 h1.7 r90
Mechanical 1:
  the board outline again, w0.254